# Altium PCB 脑电采集板V3.0.PcbDoc (part 1 of 2)
Units mm, origin at the board's own origin, x right, y up, seen from the top; angles counter-clockwise.
Board outline 100 x 80 mm, 2 copper layers (Top Layer, Bottom Layer); 140 components, 112 nets, 667 pads, 166 vias.
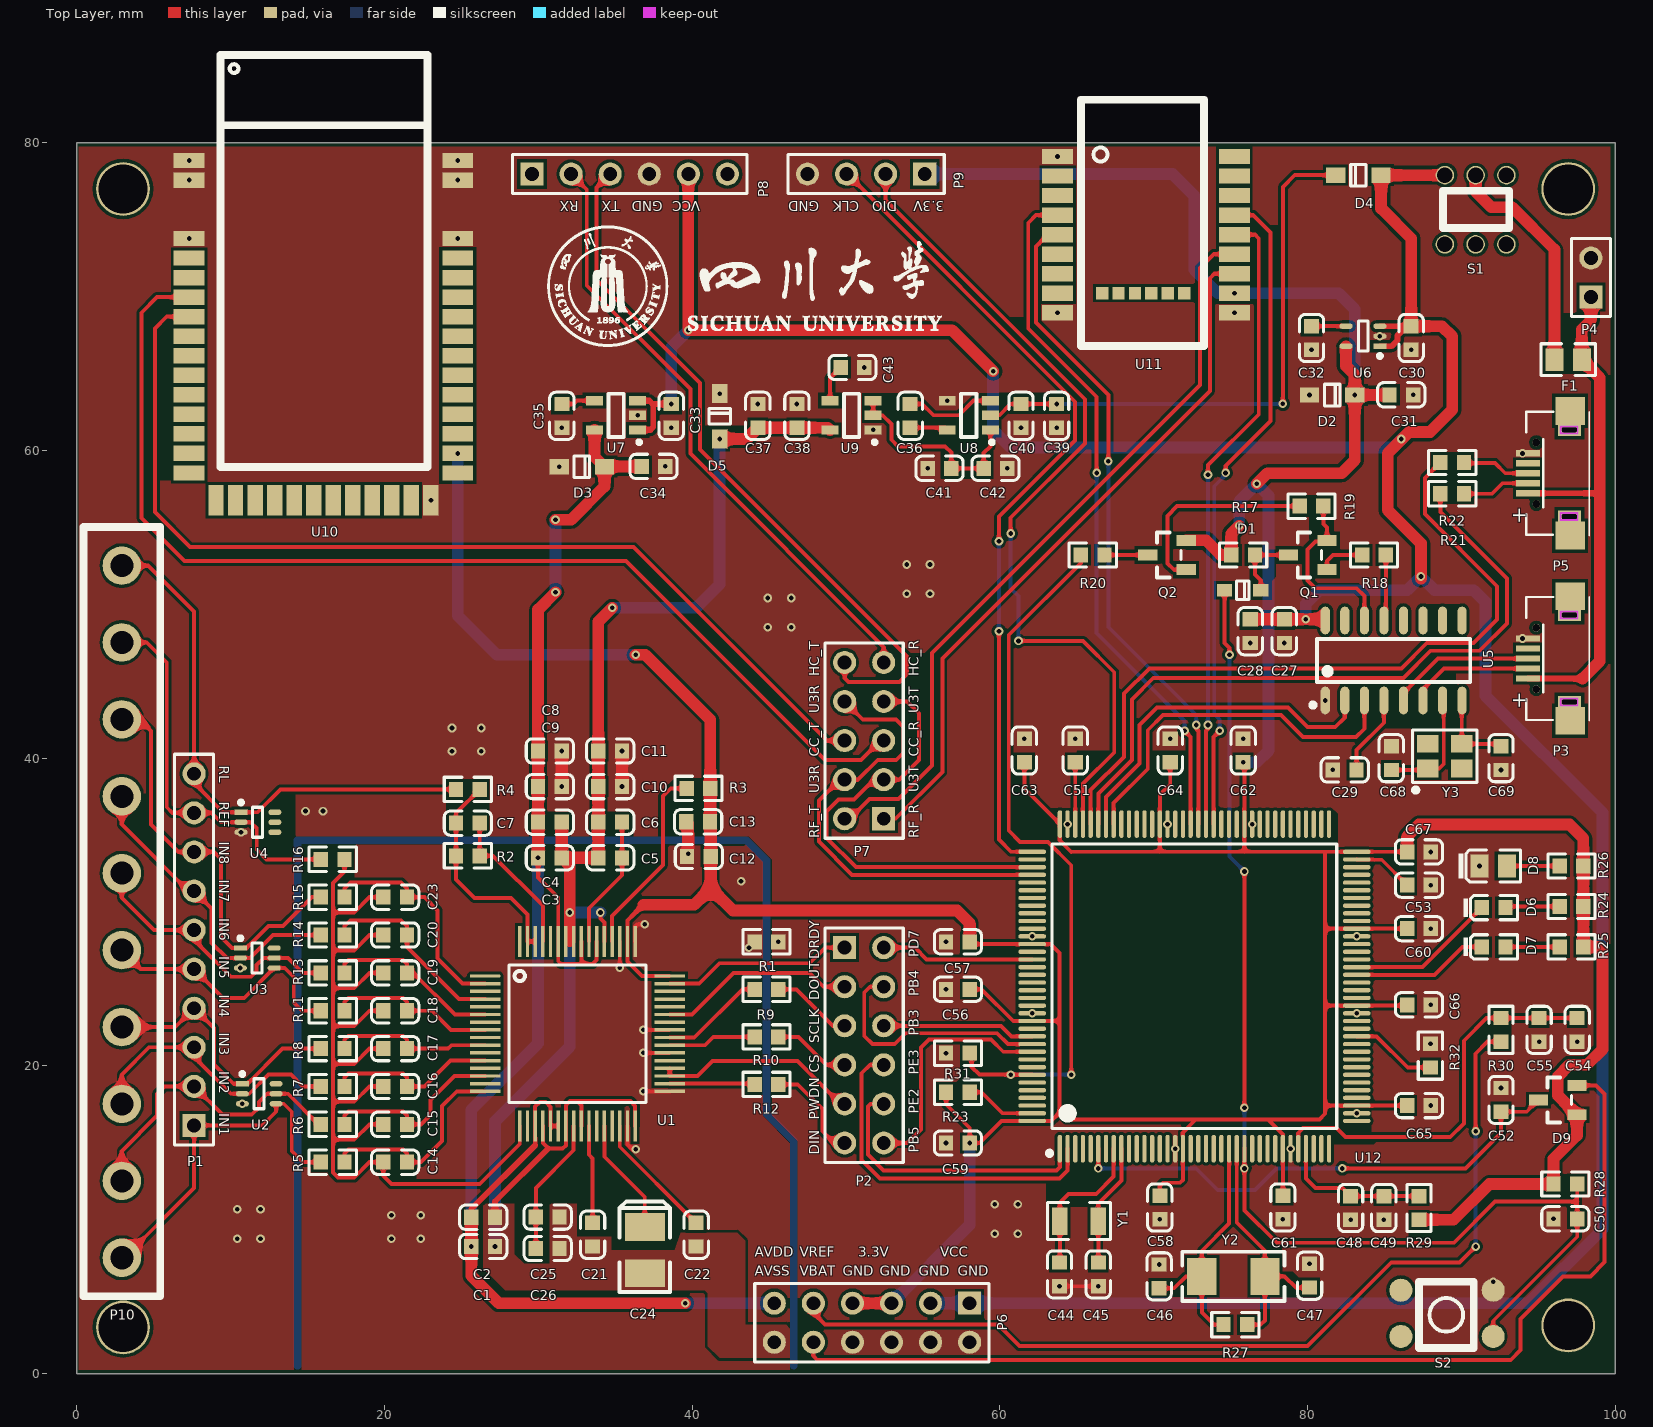
[diagram p0: Top Layer view]
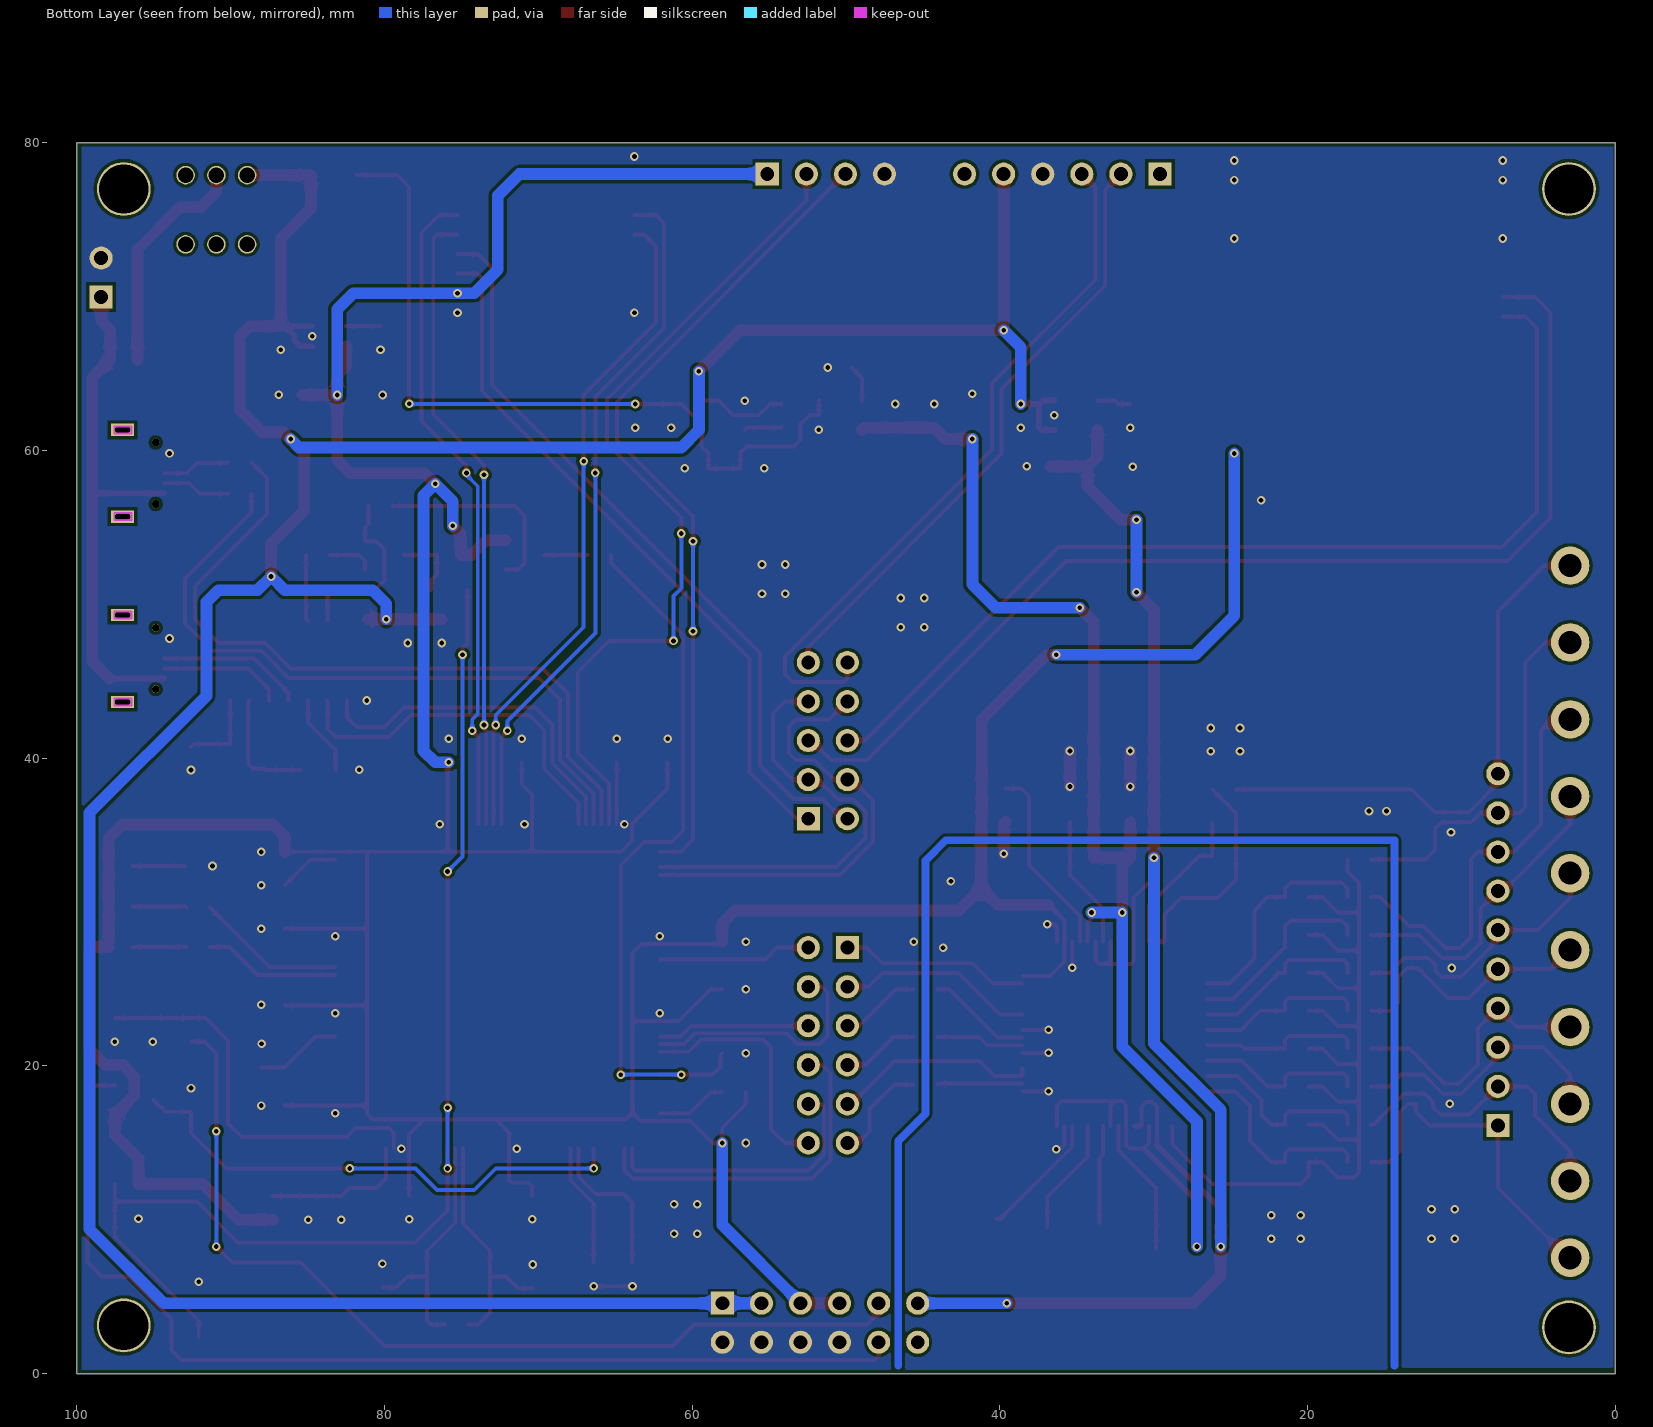
[diagram p1: Bottom Layer view, seen from below]
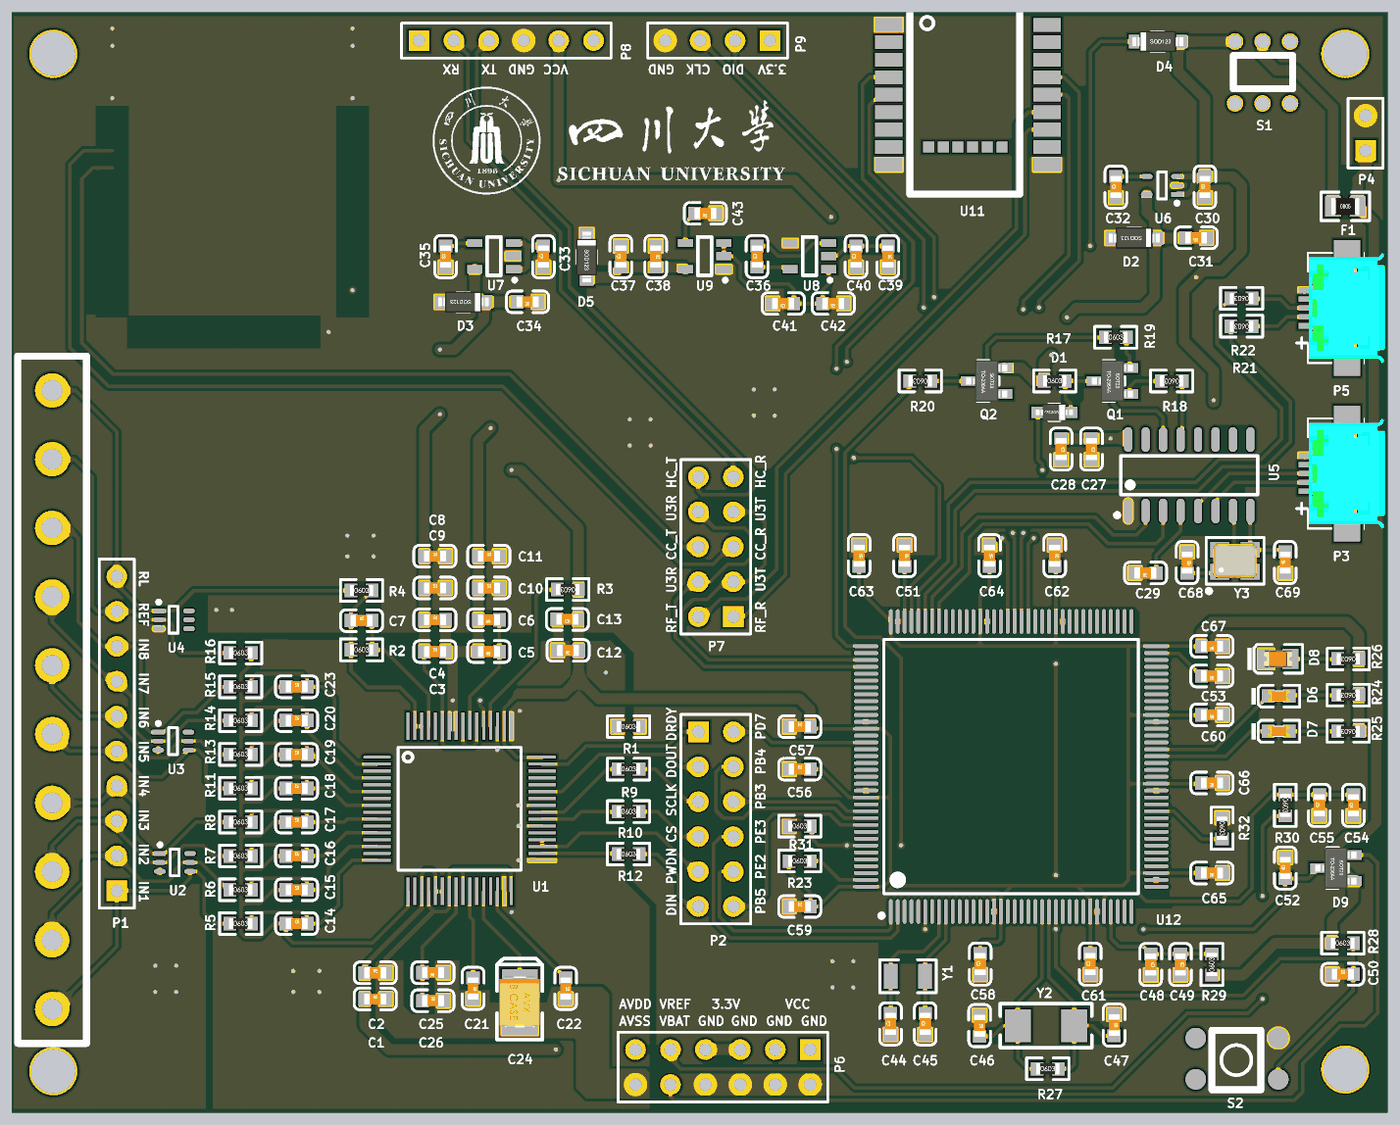
[diagram p3: 3D render of the assembled board from above, using the file's embedded part models]

## Layer stack, top to bottom
Top Solder: solder mask 0.0102, Solder Resist, Dk 3.5
Top Layer: signal copper 0.0356
Dielectric 1: dielectric 0.32, FR-4, Dk 4.8
Bottom Layer: signal copper 0.0356
Bottom Solder: solder mask 0.0102, Solder Resist, Dk 3.5

## Board outline
0,0 100,0 100,80 0,80

## Design rules (kind name [scope] priority, off if disabled: settings)
Clearance [All] p1: gap=0.203 ignorepadtopadclearanceinfootprint=FALSE
HoleSize [All] p1: absolutevalues=TRUE maxlimit=6 minlimit=0.3 maxpercent=80.000 minpercent=20.000
HoleToHoleClearance [All] p1: gap=0.305 allowstackedmicrovias=TRUE
MinimumSolderMaskSliver [All] p1: minsoldermaskwidth=0.152
PlaneClearance [All] p1: clearance=0.203
PolygonConnect [All] p1: connectstyle=Direct reliefconductorwidth=0.254 reliefentries=4 polygonreliefangle="90 Angle" airgapwidth=0.254
RoutingVias [All] p1: holewidth=0.559 width=1.27 viastyle="Through Hole" minholewidth=0.305 minwidth=1.27 maxholewidth=0.559 maxwidth=1.27
SilkToSilkClearance [All] p1: silktosilkclearance=0.152
SilkToSolderMaskClearance [IsPad] p1: minsilkscreentomaskgap=0.178 clearancetoexposedcopper=TRUE
SolderMaskExpansion [All] p1: expansion=0.102
Width PWR [InNetClass('PWR')] p1: maxlimit=0.762 minlimit=0.152 preferedwidth=0.762
Width [All] p2: maxlimit=0.762 minlimit=0.203 preferedwidth=0.254
24 further rules are at their usual default settings.

## Classes and differential pairs
component class STM32F4: C44 C45 C46 C47 C48 C49 C50 C51 C52 C53 C54 C55 C56 C57 C58 C59 C60 C61 C62 C63 C64 C65 C66 C67 D6 D7 D8 D9 P9 R23 R24 R25 R26 R27 R28 R29 R30 R31 R32 S2 U12 Y1 Y2
component class pwr: C27 C28 C29 C30 C31 C32 C33 C34 C35 C36 C37 C38 C39 C40 C41 C42 C43 C68 C69 D1 D2 D3 D4 D5 F1 P3 P4 P5 P6 Q1 Q2 R17 R18 R19 R20 R21 R22 S1 U5 U6 U7 U8 U9 Y3
component class EEG: C1 C2 C3 C4 C5 C6 C7 C8 C9 C10 C11 C12 C13 C14 C15 C16 C17 C18 C19 C20 C21 C22 C23 C24 C25 C26 P1 P2 P10 R1 R2 R3 R4 R5 R6 R7 R8 R9 R10 R11 R12 R13 R14 R15 R16 U1 U2 U3 U4
component class ble: P7 P8 U10 U11

## Components (designator, comment, footprint, x,y, rotation, side; value= is the part's Value field where it differs from the comment)
C1 "1uF 50V" 0603_C 26.416,8.255 r0 top
C2 "100nF 50V" 0603_C 26.416,10.16 r0 top
C3 "1uF 50V" 0603_C 30.75,33.528 r0 top
C4 "100nF 50V" 0603_C 30.75,35.842 r0 top
C5 "1uF 50V" 0603_C 34.671,33.528 r180 top
C6 "100nF 50V" 0603_C 34.671,35.842 r180 top
C7 "1.5nF" 0603_C 25.418,35.781 r0 top
C8 "1uF 50V" 0603_C 30.75,40.471 r0 top
C9 "100nF 50V" 0603_C 30.75,38.157 r0 top
C10 "1uF 50V" 0603_C 34.671,38.157 r0 top
C11 "100nF 50V" 0603_C 34.671,40.471 r0 top
C12 "1uF 50V" 0603_C 40.434,33.614 r180 top
C13 "100nF 50V" 0603_C 40.386,35.871 r180 top
C14 "4.7nF 50V" 0603_C 20.693,13.74 r0 top
C15 "4.7nF 50V" 0603_C 20.693,16.201 r0 top
C16 "4.7nF 50V" 0603_C 20.693,18.662 r0 top
C17 "4.7nF 50V" 0603_C 20.693,21.123 r0 top
C18 "4.7nF 50V" 0603_C 20.693,23.584 r0 top
C19 "4.7nF 50V" 0603_C 20.693,26.045 r0 top
C20 "4.7nF 50V" 0603_C 20.693,28.506 r0 top
C21 "1uF 50V" 0603_C 33.528,9.025 r270 top
C22 "1uF 50V" 0603_C 40.259,9.025 r270 top
C23 "4.7nF 50V" 0603_C 20.693,30.967 r0 top
C24 "100uF (107) ±10% 6.3V" CASE-B_3528 36.917,8.025 r90 top
C25 "10uF" 0603_C 30.607,10.168 r180 top
C26 "100nF 50V" 0603_C 30.607,8.128 r0 top
C27 "10uF (106) 10% 10V" 0603_C 78.494,48.26 r270 top
C28 "100nF (104) 10% 50V" 0603_C 76.282,48.26 r270 top
C29 "100nF" 0603_C 82.423,39.243 r180 top
C30 "1uF" 0603_C 86.741,67.318 r90 top
C31 "1uF" 0603_C 86.098,63.627 r180 top
C32 "1nF" 0603_C 80.264,67.318 r90 top
C33 "1uF" 0603_C 38.639,62.261 r90 top
C34 "1uF" 0603_C 37.488,58.973 r180 top
C35 "1nF" 0603_C 31.527,62.261 r90 top
C36 "1uF" 0603_C 54.174,62.261 r90 top
C37 "1uF" 0603_C 44.268,62.261 r90 top
C38 "10nF" 0603_C 46.808,62.261 r270 top
C39 "1uF" 0603_C 63.691,62.261 r270 top
C40 "10nF" 0603_C 61.373,62.261 r90 top
C41 "1uF" 0603_C 56.079,58.846 r180 top
C42 "10nF" 0603_C 59.718,58.846 r180 top
C43 "1nF" 0603_C 50.419,65.405 r180 top
C44 "10pF" 0603_C 63.881,6.443 r90 top
C45 "10pF" 0603_C 66.403,6.443 r90 top
C46 "22pF" 0603_C 70.358,6.316 r270 top
C47 "22pF" 0603_C 80.137,6.358 r270 top
C48 "10uF  10V" 0603_C 82.804,10.761 r270 top
C49 "100nF  50V" 0603_C 84.963,10.761 r270 top
C50 "100nF  50V" 0603_C 96.766,10.057 r0 top
C51 "2.2uF 16V" 0603_C 64.903,40.505 r270 top
C52 "100nF  50V" 0603_C 92.583,17.788 r90 top
C53 "2.2uF (225) 10% 16V" 0603_C 87.249,31.75 r180 top
C54 "10uF  10V" 0603_C 97.536,22.344 r90 top
C55 "100nF  50V" 0603_C 95.059,22.344 r90 top
C56 "100nF  50V" 0603_C 57.277,24.977 r0 top
C57 "100nF  50V" 0603_C 57.277,28.067 r0 top
C58 "100nF  50V" 0603_C 70.403,10.795 r90 top
C59 "100nF  50V" 0603_C 57.277,14.986 r0 top
C60 "100nF  50V" 0603_C 87.249,28.922 r180 top
C61 "100nF  50V" 0603_C 78.403,10.795 r90 top
C62 "100nF  50V" 0603_C 75.819,40.505 r270 top
C63 "100nF  50V" 0603_C 61.595,40.505 r270 top
C64 "100nF  50V" 0603_C 71.078,40.505 r270 top
C65 "100nF  50V" 0603_C 87.249,17.419 r180 top
C66 "100nF  50V" 0603_C 87.249,23.969 r180 top
C67 "100nF  50V" 0603_C 87.249,33.909 r180 top
C68 "22pF" 0603_C 85.45,40.005 r270 top
C69 "22pF" 0603_C 92.583,40.005 r90 top
D1 "1N4148WS T4" SOD-323 75.79,50.927 r180 top
D2 "MMSZ4685T1G(3.6V)" SOD-123 81.604,63.612 r180 top
D3 "MMSZ4683T1G(3V)" SOD-123 32.827,58.958 r180 top
D4 "MBR0520LT1G" SOD-123 83.312,77.906 r0 top
D5 "MMSZ4683T1G(3V)" SOD-123 41.783,62.23 r270 top
D6 "绿灯 0603" 0603_LED_S1 92.106,30.288 r0 top
D7 "绿灯 0603" 0603_LED_S1 92.106,27.734 r0 top
D8 "红灯 0805" 0805_LED_S1 92.075,32.997 r0 top
D9 "BAV70 A4" SOT-23(SOT-23-3) 96.266,17.78 r0 top
F1 "Fuse 1A" 0805_R 96.949,65.913 r0 top
P1 "Header 10" HDR1X10 7.62,16.129 r90 top
P2 "Header 6X2" HDR2X6 49.911,27.686 r270 top
P3 "USB" MICRO-USB 96.528,46.482 r90 top
P4 "Header 2" HDR1X2 98.425,69.977 r90 top
P5 "USB" MICRO-USB 96.528,58.527 r90 top
P6 "Header 6X2" HDR2X6 58.039,4.572 r180 top
P7 "Header 5X2" HDR2X5 52.451,36.068 r90 top
P8 "HC-05_CON" HDR1X6 29.591,77.978 r0 top
P9 "SWD" HDR1X4 55.118,77.978 r180 top
P10 "1.5mm" pin1.5mm 2.921,7.526 r0 top
Q1 "SS8050 Y1" SOT-23(SOT-23-3) 80.018,53.213 r0 top
Q2 "SS8550 Y2" SOT-23(SOT-23-3) 70.866,53.213 r0 top
R1 "0Ω" 0603_R 44.831,28.067 r0 top
R2 "1MΩ" 0603_R 25.418,33.655 r0 top
R3 "10KΩ" 0603_R 40.411,38.041 r180 top
R4 "100KΩ" 0603_R 25.418,37.973 r0 top
R5 "4.99KΩ" 0603_R 16.629,13.74 r0 top
R6 "4.99KΩ" 0603_R 16.629,16.201 r0 top
R7 "4.99KΩ" 0603_R 16.629,18.662 r0 top
R8 "4.99KΩ" 0603_R 16.629,21.123 r0 top
R9 "0Ω" 0603_R 44.831,24.977 r0 top
R10 "0Ω" 0603_R 44.831,21.886 r0 top
R11 "4.99KΩ" 0603_R 16.629,23.584 r0 top
R12 "0Ω" 0603_R 44.831,18.796 r0 top
R13 "4.99KΩ" 0603_R 16.629,26.045 r0 top
R14 "4.99KΩ" 0603_R 16.629,28.506 r0 top
R15 "4.99KΩ" 0603_R 16.629,30.967 r0 top
R16 "4.99KΩ" 0603_R 16.629,33.428 r0 top
R17 "10KΩ" 0603_R 75.819,53.213 r0 top
R18 "1KΩ (1001) ±1%" 0603_R 84.328,53.213 r180 top
R19 "1KΩ (1001) ±1%" 0603_R 80.264,56.388 r0 top
R20 "1KΩ (1001) ±1%" 0603_R 66.04,53.213 r180 top
R21 "10Ω" 0603_R 89.408,57.195 r180 top
R22 "10Ω" 0603_R 89.408,59.227 r180 top
R23 "0Ω" 0603_R 57.277,18.288 r0 top
R24 "510Ω" 0603_R 97.167,30.365 r180 top
R25 "510Ω" 0603_R 97.167,27.734 r180 top
R26 "1KΩ" 0603_R 97.167,32.997 r180 top
R27 "1MΩ" 0603_R 75.311,3.175 r0 top
R28 "10K" 0603_R 96.766,12.319 r0 top
R29 "10Ω" 0603_R 87.249,10.761 r90 top
R30 "10Ω (10R0) ±1%" 0603_R 92.583,22.344 r270 top
R31 "10K" 0603_R 57.277,20.828 r0 top
R32 "10K" 0603_R 87.994,20.667 r270 top
S1 "SW-PB" KEY_5.8*5.8 88.932,77.906 r270 top
S2 "SW-PB" key_4.5*4.5*3.8 92.075,2.413 r180 top
U1 "ADS1299" ADS1299 24.765,28.384 r0 top
U2 "TPD4E1B06DCKR" TPD4 10.754,18.838 r0 top
U3 "TPD4E1B06DCKR" TPD4 10.627,27.664 r0 top
U4 "TPD4E1B06DCKR" TPD4 10.668,36.491 r0 top
U5 "CH340G" SOIC-16_150mil 85.606,46.355 r0 top
U6 "TPS71733DCKR" SC-70-5 84.709,66.787 r180 top
U7 "TPS73225" SOT-23-5 35.052,62.296 r0 top
U8 "TPS60403" SOT-23-5 57.984,62.296 r0 top
U9 "TPS72325" SOT-23-5 50.364,62.296 r0 top
U10 "CC2640R2F" CC2640R2F -5.786,65.913 r180 top
U11 "nRF52832" nRF52832 68.58,74.422 r180 top
U12 "STM32F429ZGT6" LQFP-144_20x20x05P 72.653,25.169 r0 top
Y1 "32.768KHz" "SMD-3215_2P FC - 135" 65.153,9.906 r0 top
Y2 "8MHz" SMD-5032_2P 75.184,6.316 r0 top
Y3 "12MHZ" SMD-3225_4P 88.932,40.132 r0 top

## Footprints (in the part's own frame and the unit in brackets; to place one, negate y for a bottom-side part, rotate by r counter-clockwise, add the part's x,y. Pads: shape width x height; smd on the part's side, far side on the other; paste and mask are expansions set on the pad)
0603_C [mm]
  rect 0.93x0.98 smd: 1(-0.77,0) 2(0.77,0)
  silkscreen extent -1.53,-0.79 1.54,0.79, body extent -0.8,-0.4 0.8,0.4, height 0.3
0603_LED_S1 [mm]
  rect 0.93x0.98 smd: A(0.77,0) K(-0.77,0)
  silkscreen extent -1.98,-0.79 1.54,0.79, body extent -0.8,-0.4 0.8,0.4, height 0.6
0603_R [mm]
  rect 0.93x0.98 smd: 1(-0.77,0) 2(0.77,0)
  silkscreen extent -1.53,-0.79 1.54,0.79, body extent -0.85,-0.4 0.85,0.4, height 0.56
0805_LED_S1 [mm]
  rect 1.16x1.47 smd: A(0.89,0) K(-0.89,0)
  silkscreen extent -2.24,-1.04 1.77,1.03, body extent -1.01,-0.62 1.01,0.62, height 1.1
0805_R [mm]
  rect 1.16x1.47 smd: 1(-0.89,0) 2(0.89,0)
  silkscreen extent -1.77,-1.04 1.77,1.03, body extent -1,-0.62 1,0.63, height 0.49
ADS1299 [mm]
  oval 2x0.22 smd: 1(1.778,-2.54)
  rect 2x0.22 smd: 2(1.778,-3.04) 3(1.778,-3.54) 4(1.778,-4.04) 5(1.778,-4.54) 6(1.778,-5.04) 7(1.778,-5.54) 8(1.778,-6.04) 9(1.778,-6.54) 10(1.778,-7.04) 11(1.778,-7.54) 12(1.778,-8.04) 13(1.778,-8.54) 14(1.778,-9.04) 15(1.778,-9.54) 16(1.778,-10.04) 33(13.778,-10.04) 34(13.778,-9.54) 35(13.778,-9.04) 36(13.778,-8.54) 37(13.778,-8.04) 38(13.778,-7.54) 39(13.778,-7.04) 40(13.778,-6.54) 41(13.778,-6.04) 42(13.778,-5.54) 43(13.778,-5.04) 44(13.778,-4.54) 45(13.778,-4.04) 46(13.778,-3.54) 47(13.778,-3.04) 48(13.778,-2.54)
  rect 0.22x2 smd: 17(4.028,-12.29) 18(4.528,-12.29) 19(5.028,-12.29) 20(5.528,-12.29) 21(6.028,-12.29) 22(6.528,-12.29) 23(7.028,-12.29) 24(7.528,-12.29) 25(8.028,-12.29) 26(8.528,-12.29) 27(9.028,-12.29) 28(9.528,-12.29) 29(10.028,-12.29) 30(10.528,-12.29) 31(11.028,-12.29) 32(11.528,-12.29) 49(11.528,-0.29) 50(11.028,-0.29) 51(10.528,-0.29) 52(10.028,-0.29) 53(9.528,-0.29) 54(9.028,-0.29) 55(8.528,-0.29) 56(8.028,-0.29) 57(7.528,-0.29) 58(7.028,-0.29) 59(6.528,-0.29) 60(6.028,-0.29) 61(5.528,-0.29) 62(5.028,-0.29) 63(4.528,-0.29) 64(4.028,-0.29)
  silkscreen extent 3.31,-10.75 12.24,-1.83
CASE-B_3528 [mm]
  rect 1.8x2.6 smd: 1(1.5,0) 2(-1.5,0)
  silkscreen extent -2.73,-1.65 3.16,1.65, body extent -1.85,-1.47 1.85,1.46, height 2.03
CC2640R2F [mm]
  rect 2x1 smd: 1(-13.081,-12.944) 2(-13.081,-11.674) 3(-13.081,-7.874) 4(-13.081,-6.604) 5(-13.081,-5.334) 6(-13.081,-4.064) 7(-13.081,-2.794) 8(-13.081,-1.524) 9(-13.081,-0.254) 10(-13.081,1.016) 11(-13.081,2.286) 12(-13.081,3.556) 13(-13.081,4.826) 14(-13.081,6.096) 15(-13.081,7.366) 28(-30.551,7.366) 29(-30.551,6.096) 30(-30.551,4.826) 31(-30.551,3.556) 32(-30.551,2.286) 33(-30.551,1.016) 34(-30.551,-0.254) 35(-30.551,-1.524) 36(-30.551,-2.794) 37(-30.551,-4.064) 38(-30.551,-5.334) 39(-30.551,-6.604) 40(-30.551,-7.874) 41(-30.551,-11.674) 42(-30.551,-12.944)
  rect 1x2 smd: 16(-14.831,9.136) 17(-16.101,9.136) 18(-17.371,9.136) 19(-18.641,9.136) 20(-19.911,9.136) 21(-21.181,9.136) 22(-22.451,9.136) 23(-23.721,9.136) 24(-24.991,9.136) 25(-26.261,9.136) 26(-27.531,9.136) 27(-28.801,9.136)
  silkscreen extent -28.57,-19.81 -15.11,6.98
HDR1X2 [mm] "Connector; Header; 2 Position"
  rect 1.5x1.5 hole 0.9: 1(0,0)
  round 1.5 hole 0.9: 2(2.54,0)
  silkscreen extent -1.27,-1.27 3.81,1.27
HDR1X4 [mm] "Connector; Header; 4 Position"
  rect 1.5x1.5 hole 0.9: 1(0,0)
  round 1.5 hole 0.9: 2(2.54,0) 3(5.08,0) 4(7.62,0)
  silkscreen extent -1.27,-1.27 8.89,1.27
HDR1X6 [mm] "Connector; Header; 6 Position"
  rect 1.5x1.5 hole 0.9: 1(0,0)
  round 1.5 hole 0.9: 2(2.54,0) 3(5.08,0) 4(7.62,0) 5(10.16,0) 6(12.7,0)
  silkscreen extent -1.27,-1.27 13.97,1.27
HDR1X10 [mm] "Connector; Header; 10 Position"
  rect 1.5x1.5 hole 0.9: 1(0,0)
  round 1.5 hole 0.9: 2(2.54,0) 3(5.08,0) 4(7.62,0) 5(10.16,0) 6(12.7,0) 7(15.24,0) 8(17.78,0) 9(20.32,0) 10(22.86,0)
  silkscreen extent -1.27,-1.27 24.13,1.27
HDR2X5 [mm] "Connector; Header; 5x2 Position"
  rect 1.5x1.5 hole 0.9: 1(0,0)
  round 1.5 hole 0.9: 2(0,2.54) 3(2.54,0) 4(2.54,2.54) 5(5.08,0) 6(5.08,2.54) 7(7.62,0) 8(7.62,2.54) 9(10.16,0) 10(10.16,2.54)
  silkscreen extent -1.27,-1.27 11.43,3.81